# KiCad board HPM6E00EnetConnectTsnRevB.kicad_pcb (continued)
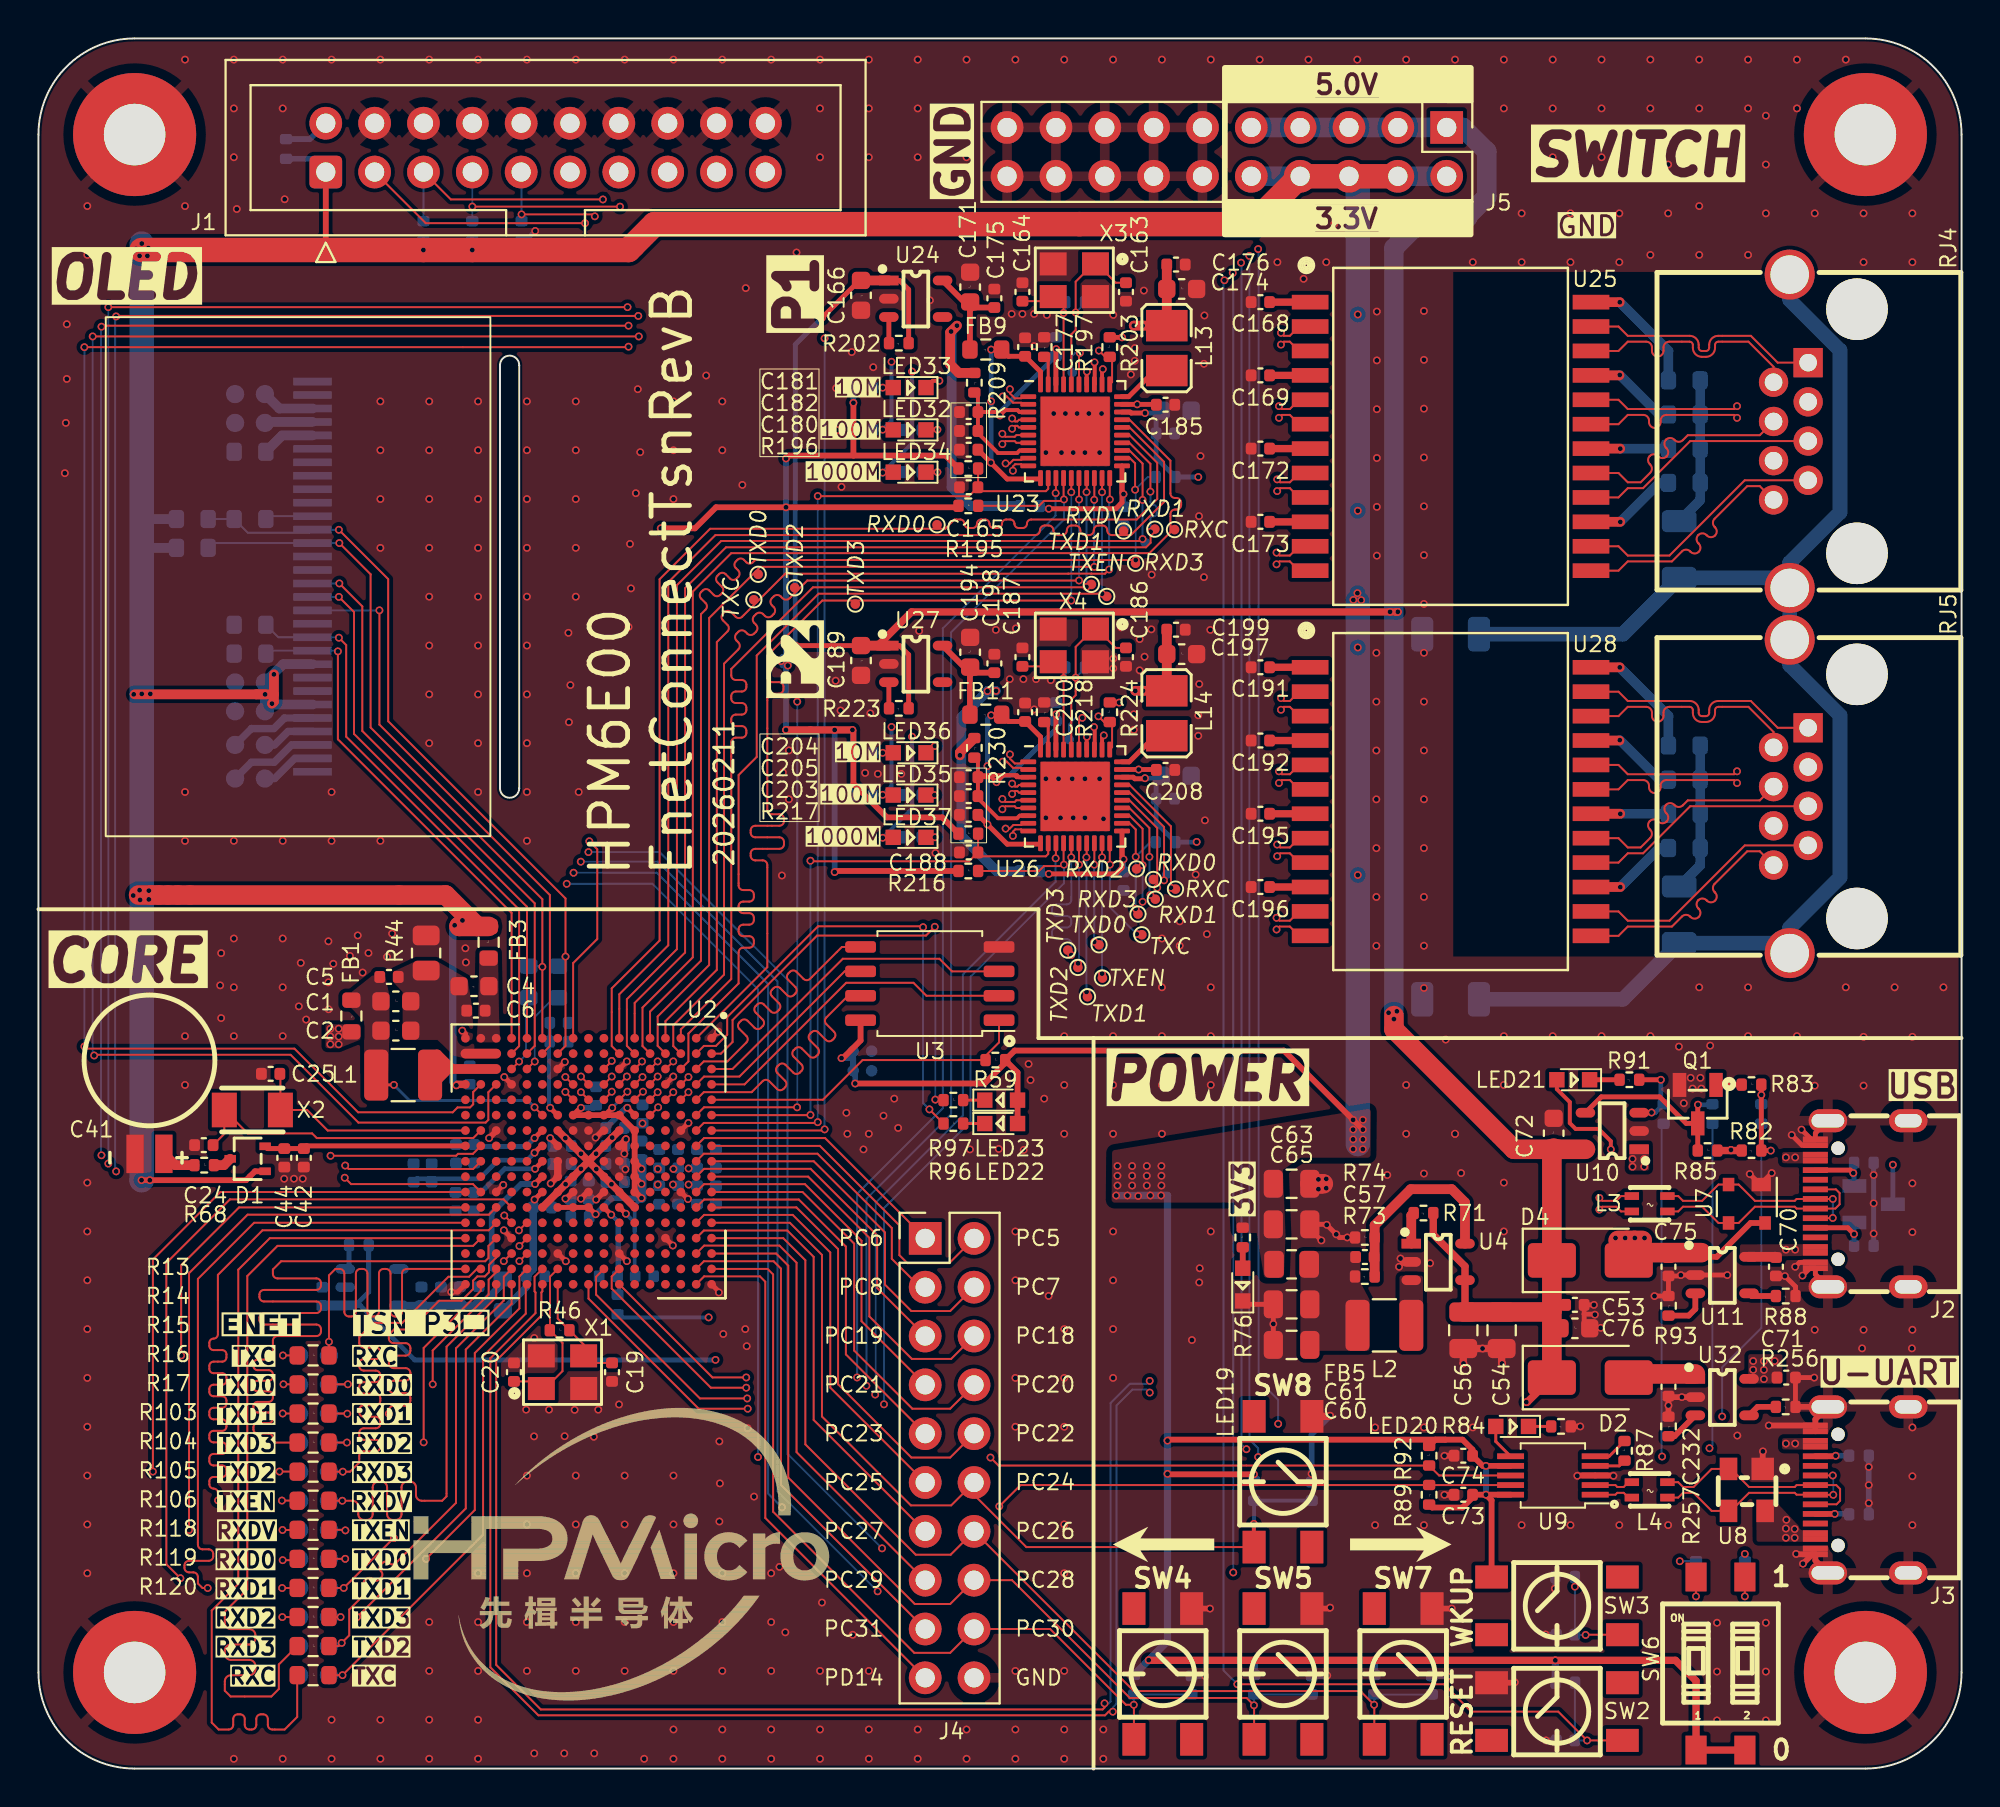
[diagram p0: board, top side]
## Placement (name value [footprint] x y rotation side) (continued)
U28  H5007NL  [PULSE_H5007NL]  73.43 50.3 0 top
U32  PW1515  [SOT-23-5]  87.55 19.32 0 top
X1  24MHz ±10ppm 12pF  [3225]  27.25 20.62 0 top
X2  32.768kHz,12.5pF  [3215]  11.12 34.26 0 top
X3  25MHz_±10ppm_12pF  [3225]  53.86 77.42 180 top
X4  25MHz_±10ppm_12pF  [3225]  53.86 58.43 180 top

## Library data of the parts
C1 C2 C4 C76 = -: Company: SAMSUNG(三星); Model: CL10A226MP8NUNE; ki_fp_filters: C_*
C3 C11 C15 C16 C28 C46 C48 C49 C51 C55 C73 = -: Company: SAMSUNG(三星); Model: CL05A475MP5NRNC; ki_fp_filters: C_*
C5-C10 C12-C14 C21-C23 C26 C27 C29 C30 C34 C35 C37-C40 C42 C43 C45 C47 C50 C52 C53 C58 C74 C77-C80 = -: Company: SAMSUNG(三星); Model: CL05B104KO5NNNC; ki_fp_filters: C_*
C17 = -: Company: muRata(村田); Model: GRM158R61A226ME15D
C19 C20 = -: Company: YAGEO(国巨); Model: CC0402JRNPO9BN120; ki_fp_filters: C_*
C24 C25 = -: Company: SAMSUNG(三星); Model: CL05C150JB5NNNC; ki_fp_filters: C_*
C31 = -: Model: CL05B104KO5NNNC; Company: SAMSUNG(三星); ki_fp_filters: C_*
C32 = -: Model: CL05A106MP5NUNC; Company: SAMSUNG(三星); ki_fp_filters: C_*
C33 C36 = -: Company: SAMSUNG(三星); Model: CL05A106MQ5NUNC; ki_fp_filters: C_*
C41 = -: Company: KORCHIP(高奇普); Model: DMS3R3224R; SuppliersPartNumber: C113705
C44 C59 = -: Company: SAMSUNG(三星); Model: CL05A106MP5NUNC; ki_fp_filters: C_*
C54 C56 C60 C61 C63 C65 = -: Company: SAMSUNG(三星); Model: CL21A226MOQNNNE; ki_fp_filters: C_*
C57 C163 C164 C186 C187 = -: Company: SAMSUNG(三星); Model: CL05C220JB5NNNC; ki_fp_filters: C_*
C62 C64 C66 C68 = -: Description: 0603; Model: CC0603KRX5R8BB105; Company: YAGEO; ki_fp_filters: C_*
C67 = -: Description: 0603; Model: CC0603KRX5R9BB225; Company: YAGEO; ki_fp_filters: C_*
C69 = -: Description: 0603; Model: CL10A475KO8NNNC; Company: SAMSUNG(三星); ki_fp_filters: C_*
C70 C71 C75 C232 = -: Company: SAMSUNG(三星); Model: CL05A105KO5NNNC
C72 = -: Company: SAMSUNG(三星); Model: CL10A106KO8NQNC; ki_fp_filters: C_*
C117-C128 = -: Description: 0603; Model: CC0603KRX7R9BB221; Company: YAGEO; ASSY_OPT: DNP; ki_fp_filters: C_*
C165 C168-C170 C172 C173 C175-C182 C185 C188 C191-C193 C195 C196 C198-C205 C208 = -: Company: SAMSUNG(三星); Model: 0402B104K500NT; ki_fp_filters: C_*
C166 C167 C171 C174 C189 C190 C194 C197 = -: Company: SAMSUNG(三星); Model: CL10A475KO8NNNC; ki_fp_filters: C_*
C183 C184 C206 C207 = -: Company: FH(风华); Model: 1206B102K202NT; ki_fp_filters: C_*
D1 = -: Company: Nexperia(安世)
D2 = -: Company: 晶导微电子
D3 U10 = -: Company: DIODES(美台)
D4 = -: Company: YANGJIE(扬杰)
DS1 = -: Datasheet: https://www.vishay.com/docs/37902/oled128o064dbpp3n00000.pdf; Description: OLED display 128x64; ki_fp_filters: OLED?128O064D*
FB1-FB3 FB9 FB11 = -: Company: Sunlord(顺络); Model: PZ1608D101-2R0TF; ki_fp_filters: Inductor_* L_* *Ferrite*
FB5 = -: Company: Sunlord(顺络); Model: PZ2012U101-2R0TF; ki_fp_filters: Inductor_* L_* *Ferrite*
H201-H204 = -: Description: Mounting Hole with connection; ki_fp_filters: MountingHole*Pad*
J1 = -: Datasheet: http://infocenter.arm.com/help/topic/com.arm.doc.dui0499b/DUI0499B_system_design_reference.pdf; ki_fp_filters: IDC*Header*P2.54mm* PinHeader*2x10*P2.54mm*
J2 J3 = -: Company: kinghelm(金航标); Model: KH-TYPE-C-16P
J4 J5 = -: Description: P2.54; Model: 2.54-2*10P直针; Company: BOOMELE(博穆精密); ki_fp_filters: Connector*:*_2x??_*
L1 = -: Company: muRata(村田); Model: DFE322520FD-4R7M=P2
L2 = -: Company: muRata(村田); Model: DFE322512F-4R7M=P2
L3 L4 = -: Company: muRata(村田)
L13 L14 = -: Company: muRata(村田); Model: DFE252010F-2R2M
LED19 LED34 LED37 = -: Company: 国星光电; Model: NCD0603R1
LED20-LED23 LED32 LED35 = -: Company: 国星光电; Model: NCD0603C1
LED33 LED36 = -: Company: 国星光电; Model: NCD0603B1
Q1 = -: Company: CJ(江苏长电/长晶)
R1 R2 = -: Description: Resistor; Model: 0603WAF0000T5E; Company: UNI-ROYAL(厚声); ki_fp_filters: R_*
R3 R4 = -: Description: Resistor; Model: RC0603FR-071KL; Company: YAGEO; ki_fp_filters: R_*
R5 = -: Description: Resistor; Model: 0603WAF0000T5E; Company: UNI-ROYAL(厚声); ASSY_OPT: DNP; ki_fp_filters: R_*
R6 R7 = -: Description: Resistor; Model: 0603WAF4701T5E; Company: UNI-ROYAL(厚声); ki_fp_filters: R_*
R8 = -: Description: Resistor; Model: 0603WAF9103T5E; Company: UNI-ROYAL(厚声); ki_fp_filters: R_*
R13-R17 R103-R106 R118-R120 = -: Description: Resistor; Model: 0603WAF330JT5E; Company: UNI-ROYAL(厚声); ki_fp_filters: R_*
R44 = -: Company: FH(风华); Model: RS-05000JT; ki_fp_filters: R_*
R46 R193 R214 = -: Company: UNI-ROYAL(厚声); Model: CQ02WGJ0105TCE; ki_fp_filters: R_*
R48 R50 R71 R72 R83 R85 R88 R94 R95 R98-R101 R196 R217 R256 = -: Company: UNI-ROYAL(厚声); Model: 0402WGF1002TCE; ki_fp_filters: R_*
R49 = -: Company: UNI-ROYAL(厚声); Model: 0402WGF100JTCE; ki_fp_filters: R_*
R51 = -: Model: RC0402JR-070RL; Company: YAGEO(国巨); ASSY_OPT: DNP; ki_fp_filters: R_*
R53-R55 R59 = -: Model: 0402WGF1002TCE; Company: UNI-ROYAL(厚声); ki_fp_filters: R_*
R68 = -: Company: UNI-ROYAL(厚声); Model: 0402WGF510JTCE; ki_fp_filters: R_*
R73 R82 = -: Company: UNI-ROYAL(厚声); Model: 0402WGF1003TCE; ki_fp_filters: R_*
R74 = -: Company: UNI-ROYAL(厚声); Model: 0402WGF2212TCE; ki_fp_filters: R_*
R76 R84 R91 R96 R97 = -: Company: UNI-ROYAL(厚声); Model: 0402WGF1001TCE; ki_fp_filters: R_*
R77 R79 = -: ASSY_OPT: DNP; Company: UNI-ROYAL(厚声); Model: 0402WGF5101TCE; ki_fp_filters: R_*
R78 R80 R89 R92 = -: Company: UNI-ROYAL(厚声); Model: 0402WGF5101TCE; ki_fp_filters: R_*
R81 R86 R90 = -: ASSY_OPT: DNP; Company: YAGEO(国巨); Model: RC0402JR-070RL; ki_fp_filters: R_*
R87 = -: Company: UNI-ROYAL(厚声); Model: 0402WGF2001TCE; ki_fp_filters: R_*
R93 R204-R206 R225-R227 R257 = -: Company: UNI-ROYAL(厚声); Model: 0402WGF3300TCE; ki_fp_filters: R_*
R194 R195 R200 R202 R203 R215 R216 R221 R223 R224 = -: Company: UNI-ROYAL(厚声); Model: 0402WGF4701TCE; ki_fp_filters: R_*
R197 R218 = -: Company: FH(风华); Model: RC-02W2491FT; ki_fp_filters: R_*
R208 R209 R229 R230 = -: Company: YAGEO(国巨); Model: RC0402JR-070RL; ki_fp_filters: R_*
R210-R213 R231-R234 = -: Company: UNI-ROYAL(厚声); Model: 0603WAF750JT5E; ki_fp_filters: R_*
RJ4 RJ5 = -: Company: HCTL(华灿天禄)
SW2-SW5 SW7 SW8 = -: Company: SHOU HAN(首韩); Model: TS4540TP
SW6 = -: Company: 圜达; Model: DM-02-V
T52-T63 T65-T77 T79 = -: ki_fp_filters: Pin* Test*
U3 = -: Company: MXIC(旺宏电子)
U4 = -: Company: silergy(矽力杰)
U5 U24 U27 = -: Company: TI
U7 U8 = -: Company: TECH PUBLIC(台舟)
U9 = -: Company: WCH(南京沁恒); ki_fp_filters: MSOP*3x3mm*P0.5mm*
U11 U32 = -: Company: 平芯微
U23 U26 = -: Company: Motorcomm（裕太微）; Model: YT8531C; ki_fp_filters: LQFP?48*7x7mm*P0.5mm*
U25 U28 = -: Company: PULSE
X1 = -: Company: EPSON(爱普生); Model: X1E0000210129
X2 = -: Company: EPSON(爱普生); Model: FC-135 32.7680KA-AC
X3 X4 = -: Company: YXC(扬兴晶振); Model: X322525MOB4SI

## Footprints (pads in the part's own frame, mm; a bottom-side part is the same pattern mirrored in y, then rotated)
3215
  rect 1.3x1.801 smd: 1(-1.458,0) 2(1.458,0)
3225
  rect 1.4x1.2 smd: 1(-1.1,-0.85) 2(1.1,-0.85) 3(1.1,0.85) 4(-1.1,0.85)
BGA-289_17x17_14.0x14.0mm
  round 0.45 smd: A1(-6.4,6.4) A2(-5.6,6.4) A3(-4.8,6.4) A4(-4,6.4) A5(-3.2,6.4) A6(-2.4,6.4) A7(-1.6,6.4) A8(-0.8,6.4) A9(0,6.4) A10(0.8,6.4) A11(1.6,6.4) A12(2.4,6.4) A13(3.2,6.4) A14(4,6.4) A15(4.8,6.4) A16(5.6,6.4) A17(6.4,6.4) B1(-6.4,5.6) B2(-5.6,5.6) B3(-4.8,5.6) B4(-4,5.6) B5(-3.2,5.6) B6(-2.4,5.6) B7(-1.6,5.6) B8(-0.8,5.6) B9(0,5.6) B10(0.8,5.6) B11(1.6,5.6) B12(2.4,5.6) B13(3.2,5.6) B14(4,5.6) B15(4.8,5.6) B16(5.6,5.6) B17(6.4,5.6) C1(-6.4,4.8) C2(-5.6,4.8) C3(-4.8,4.8) C4(-4,4.8) C5(-3.2,4.8) C6(-2.4,4.8) C7(-1.6,4.8) C8(-0.8,4.8) C9(0,4.8) C10(0.8,4.8) C11(1.6,4.8) C12(2.4,4.8) C13(3.2,4.8) C14(4,4.8) C15(4.8,4.8) C16(5.6,4.8) C17(6.4,4.8) D1(-6.4,4) D2(-5.6,4) D3(-4.8,4) D4(-4,4) D5(-3.2,4) D6(-2.4,4) D7(-1.6,4) D8(-0.8,4) D9(0,4) D10(0.8,4) D11(1.6,4) D12(2.4,4) D13(3.2,4) D14(4,4) D15(4.8,4) D16(5.6,4) D17(6.4,4) E1(-6.4,3.2) E2(-5.6,3.2) E3(-4.8,3.2) E4(-4,3.2) E5(-3.2,3.2) E6(-2.4,3.2) E7(-1.6,3.2) E8(-0.8,3.2) E9(0,3.2) E10(0.8,3.2) E11(1.6,3.2) E12(2.4,3.2) E13(3.2,3.2) E14(4,3.2) E15(4.8,3.2) E16(5.6,3.2) E17(6.4,3.2) F1(-6.4,2.4) F2(-5.6,2.4) F3(-4.8,2.4) F4(-4,2.4) F5(-3.2,2.4) F6(-2.4,2.4) F7(-1.6,2.4) F8(-0.8,2.4) F9(0,2.4) F10(0.8,2.4) F11(1.6,2.4) F12(2.4,2.4) F13(3.2,2.4) F14(4,2.4) F15(4.8,2.4) F16(5.6,2.4) F17(6.4,2.4) G1(-6.4,1.6) G2(-5.6,1.6) G3(-4.8,1.6) G4(-4,1.6) G5(-3.2,1.6) G6(-2.4,1.6) G7(-1.6,1.6) G8(-0.8,1.6) G9(0,1.6) G10(0.8,1.6) G11(1.6,1.6) G12(2.4,1.6) G13(3.2,1.6) G14(4,1.6) G15(4.8,1.6) G16(5.6,1.6) G17(6.4,1.6) H1(-6.4,0.8) H2(-5.6,0.8) H3(-4.8,0.8) H4(-4,0.8) H5(-3.2,0.8) H6(-2.4,0.8) H7(-1.6,0.8) H8(-0.8,0.8) H9(0,0.8) H10(0.8,0.8) H11(1.6,0.8) H12(2.4,0.8) H13(3.2,0.8) H14(4,0.8) H15(4.8,0.8) H16(5.6,0.8) H17(6.4,0.8) J1(-6.4,0) J2(-5.6,0) J3(-4.8,0) J4(-4,0) J5(-3.2,0) J6(-2.4,0) J7(-1.6,0) J8(-0.8,0) J9(0,0) J10(0.8,0) J11(1.6,0) J12(2.4,0) J13(3.2,0) J14(4,0) J15(4.8,0) J16(5.6,0) J17(6.4,0) K1(-6.4,-0.8) K2(-5.6,-0.8) K3(-4.8,-0.8) K4(-4,-0.8) K5(-3.2,-0.8) K6(-2.4,-0.8) K7(-1.6,-0.8) K8(-0.8,-0.8) K9(0,-0.8) K10(0.8,-0.8) K11(1.6,-0.8) K12(2.4,-0.8) K13(3.2,-0.8) K14(4,-0.8) K15(4.8,-0.8) K16(5.6,-0.8) K17(6.4,-0.8) L1(-6.4,-1.6) L2(-5.6,-1.6) L3(-4.8,-1.6) L4(-4,-1.6) L5(-3.2,-1.6) L6(-2.4,-1.6) L7(-1.6,-1.6) L8(-0.8,-1.6) L9(0,-1.6) L10(0.8,-1.6) L11(1.6,-1.6) L12(2.4,-1.6) L13(3.2,-1.6) L14(4,-1.6) L15(4.8,-1.6) L16(5.6,-1.6) L17(6.4,-1.6) M1(-6.4,-2.4) M2(-5.6,-2.4) M3(-4.8,-2.4) M4(-4,-2.4) M5(-3.2,-2.4) M6(-2.4,-2.4) M7(-1.6,-2.4) M8(-0.8,-2.4) M9(0,-2.4) M10(0.8,-2.4) M11(1.6,-2.4) M12(2.4,-2.4) M13(3.2,-2.4) M14(4,-2.4) M15(4.8,-2.4) M16(5.6,-2.4) M17(6.4,-2.4) N1(-6.4,-3.2) N2(-5.6,-3.2) N3(-4.8,-3.2) N4(-4,-3.2) N5(-3.2,-3.2) N6(-2.4,-3.2) N7(-1.6,-3.2) N8(-0.8,-3.2) N9(0,-3.2) N10(0.8,-3.2) N11(1.6,-3.2) N12(2.4,-3.2) N13(3.2,-3.2) N14(4,-3.2) N15(4.8,-3.2) N16(5.6,-3.2) N17(6.4,-3.2) P1(-6.4,-4) P2(-5.6,-4) P3(-4.8,-4) P4(-4,-4) P5(-3.2,-4) P6(-2.4,-4) P7(-1.6,-4) P8(-0.8,-4) P9(0,-4) P10(0.8,-4) P11(1.6,-4) P12(2.4,-4) P13(3.2,-4) P14(4,-4) P15(4.8,-4) P16(5.6,-4) P17(6.4,-4) R1(-6.4,-4.8) R2(-5.6,-4.8) R3(-4.8,-4.8) R4(-4,-4.8) R5(-3.2,-4.8) R6(-2.4,-4.8) R7(-1.6,-4.8) R8(-0.8,-4.8) R9(0,-4.8) R10(0.8,-4.8) R11(1.6,-4.8) R12(2.4,-4.8) R13(3.2,-4.8) R14(4,-4.8) R15(4.8,-4.8) R16(5.6,-4.8) R17(6.4,-4.8) T1(-6.4,-5.6) T2(-5.6,-5.6) T3(-4.8,-5.6) T4(-4,-5.6) T5(-3.2,-5.6) T6(-2.4,-5.6) T7(-1.6,-5.6) T8(-0.8,-5.6) T9(0,-5.6) T10(0.8,-5.6) T11(1.6,-5.6) T12(2.4,-5.6) T13(3.2,-5.6) T14(4,-5.6) T15(4.8,-5.6) T16(5.6,-5.6) T17(6.4,-5.6) U1(-6.4,-6.4) U2(-5.6,-6.4) U3(-4.8,-6.4) U4(-4,-6.4) U5(-3.2,-6.4) U6(-2.4,-6.4) U7(-1.6,-6.4) U8(-0.8,-6.4) U9(0,-6.4) U10(0.8,-6.4) U11(1.6,-6.4) U12(2.4,-6.4) U13(3.2,-6.4) U14(4,-6.4) U15(4.8,-6.4) U16(5.6,-6.4) U17(6.4,-6.4)
C_0402_1005Metric
  rrect 0.56x0.62 smd: 1(-0.48,0) 2(0.48,0)
C_0402_1005Metric#2
  round 0.6 smd: 1(-0.48,0) 2(0.48,0)
C_0603_1608Metric
  rrect 0.9x0.95 smd: 1(-0.775,0) 2(0.775,0)
C_0603_1608Metric#2
  round 0.95 smd: 1(-0.775,0) 2(0.775,0)
C_0805_2012Metric
  rrect 1x1.45 smd: 1(-0.95,0) 2(0.95,0)
C_1206_3216Metric
  rrect 1.15x1.8 smd: 1(-1.475,0) 2(1.475,0)
D_SMA
  rrect 2.5x1.8 smd: 1(-2,0) 2(2,0)
DMS3R3224
  rect 2x0.9 smd: 1(-0.001,0.749) 2(0.001,-0.749)
IDC-Header_2x10_P2.54mm
  rrect 1.7x1.7 hole 1: 1(0,0)
  round 1.7 hole 1: 2(2.54,0) 3(0,-2.54) 4(2.54,-2.54) 5(0,-5.08) 6(2.54,-5.08) 7(0,-7.62) 8(2.54,-7.62) 9(0,-10.16) 10(2.54,-10.16) 11(0,-12.7) 12(2.54,-12.7) 13(0,-15.24) 14(2.54,-15.24) 15(0,-17.78) 16(2.54,-17.78) 17(0,-20.32) 18(2.54,-20.32) 19(0,-22.86) 20(2.54,-22.86)
L1008
  rect 1.635x2.16 smd: 1(-1.168,0) 2(1.168,0)
L2012
  rect 0.4x0.75 smd: 1(-0.4,-0.925) 2(-0.4,0.925) 3(0.4,0.925) 4(0.4,-0.925)
L_1210_3225Metric
  rrect 1.25x2.65 smd: 1(-1.4,0) 2(1.4,0)
LED_0603
  rect 0.8x0.8 smd: 1(0.851,0) 2(-0.851,0)
MountingHole_3.2mm_M3_Pad
  round 6.4 hole 3.2: 1(0,0)
MSOP-10
  rect 1.4x0.3 smd: 1(-2.2,1) 2(-2.2,0.5) 3(-2.2,0) 4(-2.2,-0.5) 5(-2.2,-1) 6(2.2,-1) 7(2.2,-0.5) 8(2.2,0) 9(2.2,0.5) 10(2.2,1)
OLED-128O064D
  rect 0.4x2 smd: 1(-10.15,0) 2(-9.45,0) 3(-8.75,0) 4(-8.05,0) 5(-7.35,0) 6(-6.65,0) 7(-5.95,0) 8(-5.25,0) 9(-4.55,0) 10(-3.85,0) 11(-3.15,0) 12(-2.45,0) 13(-1.75,0) 14(-1.05,0) 15(-0.35,0) 16(0.35,0) 17(1.05,0) 18(1.75,0) 19(2.45,0) 20(3.15,0) 21(3.85,0) 22(4.55,0) 23(5.25,0) 24(5.95,0) 25(6.65,0) 26(7.35,0) 27(8.05,0) 28(8.75,0) 29(9.45,0) 30(10.15,0)
PinHeader_2x10_P2.54mm_Vertical
  rect 1.7x1.7 hole 1: 1(0,0)
  oval 1.7x1.7 hole 1: 2(2.54,0) 3(0,-2.54) 4(2.54,-2.54) 5(0,-5.08) 6(2.54,-5.08) 7(0,-7.62) 8(2.54,-7.62) 9(0,-10.16) 10(2.54,-10.16) 11(0,-12.7) 12(2.54,-12.7) 13(0,-15.24) 14(2.54,-15.24) 15(0,-17.78) 16(2.54,-17.78) 17(0,-20.32) 18(2.54,-20.32) 19(0,-22.86) 20(2.54,-22.86)
PRTR5V0U2X
  rect 1.168x1.168 smd: 1(-1.092,0.826)
  rect 1.168x0.914 smd: 2(-1.092,-0.953) 3(1.092,-0.953) 4(1.092,0.953)
PULSE_H5007NL
  rect 1.905x0.76 smd: 1(-7.303,6.985) 2(-7.303,5.715) 3(-7.303,4.445) 4(-7.303,3.175) 5(-7.303,1.905) 6(-7.303,0.635) 7(-7.303,-0.635) 8(-7.303,-1.905) 9(-7.303,-3.175) 10(-7.303,-4.445) 11(-7.303,-5.715) 12(-7.303,-6.985) 13(7.303,-6.985) 14(7.303,-5.715) 15(7.303,-4.445) 16(7.303,-3.175) 17(7.303,-1.905) 18(7.303,-0.635) 19(7.303,0.635) 20(7.303,1.905) 21(7.303,3.175) 22(7.303,4.445) 23(7.303,5.715) 24(7.303,6.985)
QFN-40-1EP_5x5mm_P0.4mm_EP3.6x3.6mm
  rrect 0.97x0.97 smd: (-1.2,1.2) (-1.2,0) (-1.2,-1.2) (0,1.2) (0,0) (0,-1.2) (1.2,1.2) (1.2,0) (1.2,-1.2)
  rrect 0.825x0.25 smd: 1(-2.438,1.8) 2(-2.438,1.4) 3(-2.438,1) 4(-2.438,0.6) 5(-2.438,0.2) 6(-2.438,-0.2) 7(-2.438,-0.6) 8(-2.438,-1) 9(-2.438,-1.4) 10(-2.438,-1.8) 21(2.438,-1.8) 22(2.438,-1.4) 23(2.438,-1) 24(2.438,-0.6) 25(2.438,-0.2) 26(2.438,0.2) 27(2.438,0.6) 28(2.438,1) 29(2.438,1.4) 30(2.438,1.8)
  rrect 0.25x0.825 smd: 11(-1.8,-2.438) 12(-1.4,-2.438) 13(-1,-2.438) 14(-0.6,-2.438) 15(-0.2,-2.438) 16(0.2,-2.438) 17(0.6,-2.438) 18(1,-2.438) 19(1.4,-2.438) 20(1.8,-2.438) 31(1.8,2.438) 32(1.4,2.438) 33(1,2.438) 34(0.6,2.438) 35(0.2,2.438) 36(-0.2,2.438) 37(-0.6,2.438) 38(-1,2.438) 39(-1.4,2.438) 40(-1.8,2.438)
  rect 3.6x3.6 smd: 41(0,0)
R_0402_1005Metric
  rrect 0.54x0.64 smd: 1(-0.51,0) 2(0.51,0)
R_0603_1608Metric
  rrect 0.8x0.95 smd: 1(-0.825,0) 2(0.825,0)
R_0805_2012Metric
  rrect 1.025x1.4 smd: 1(-0.912,0) 2(0.912,0)
RJ45-TH_HC-RJ45-5JA-1-4
  round 3.2 hole 3.2 unplated: (-6.35,-3.44) (6.35,-3.44)
  rect 1.524x1.524 hole 0.914: 1(3.57,-0.9)
  round 1.524 hole 0.914: 2(2.55,0.9) 3(1.53,-0.9) 4(0.51,0.9) 5(-0.51,-0.9) 6(-1.53,0.9) 7(-2.55,-0.9) 8(-3.57,0.9)
  round 2.6 hole 2: 9(-8.15,0.06) 10(8.15,0.06)
SC-70
  rect 0.599x0.399 smd: 1(0.909,-0.65) 2(0.909,0.65) 3(-0.909,0)
SOIC8_208mil
  rrect 1.6x0.6 smd: 1(-3.6,1.905) 2(-3.6,0.635) 3(-3.6,-0.635) 4(-3.6,-1.905) 5(3.6,-1.905) 6(3.6,-0.635) 7(3.6,0.635) 8(3.6,1.905)
SOT-23
  rect 1.25x0.7 smd: 1(1,-0.95) 2(1,0.95) 3(-1,0)
SOT-23-5
  rect 1.016x0.508 smd: 1(-1.397,0.95)
  oval 1.016x0.508 smd: 2(-1.397,0) 3(-1.397,-0.95) 4(1.397,-0.95) 5(1.397,0.95)
SOT-143
  rect 0.7x1 smd: 1(-1,0.75)
  rect 0.7x0.6 smd: 2(-1,-0.95) 3(1,-0.95) 4(1,0.95)
SW-SMD_DM-02-V
  rect 1.1x1.501 smd: 1(-1.27,-4.501) 2(1.27,-4.501) 3(1.27,4.501) 4(-1.27,4.501)
TestPoint_Pad_D0.5mm
  round 0.5 smd: 1(0,0)
TYPE-C-16P
  round 0.7 hole 0.7 unplated: (-2.89,1.235) (2.89,1.235)
  oval 1.2x2 hole 0.7x1.7: 1(-4.32,1.765) 2(4.32,1.765)
  oval 1.2x2 hole 0.7x1.4: 3(-4.32,-2.415) 4(4.32,-2.415)
  rect 0.3x1.3 smd: A1(-3.35,2.415) A4(-2.55,2.415) A5(-1.25,2.415) A6(-0.25,2.415) A7(0.25,2.415) A8(1.25,2.415) A9(2.55,2.415) A12(3.35,2.415) B1(3.05,2.415) B4(2.25,2.415) B5(1.75,2.415) B6(0.75,2.415) B7(-0.75,2.415) B8(-1.75,2.415) B9(-2.25,2.415) B12(-3.05,2.415)
轻触开关SMD-4P,4.5x4.5mm
  rect 1.699x1.199 smd: 1(-3.401,-1.501) 2(3.401,-1.501) 3(3.401,1.501) 4(-3.401,1.501)

## Nets
+3.3V: C21.1 C27.2 C28.2 C29.1 C30.1 C31.1 C32.1 C33.1 C34.1 C35.1 C36.1 C37.1 C38.1 C39.1 C40.1 C43.2 C62.1 C63.1 C64.1 C65.1 C73.2 C74.1 C167.1 C170.1 C190.1 C193.1 D1.1 DS1.6 DS1.9 FB3.2 FB5.1 J1.1 J5.2 J5.4 J5.6 J5.8 J5.10 LED21.2 LED22.2 LED23.2 R6.1 R7.1 R48.1 R51.2 R54.1 R55.1 R59.2 R76.2 R82.2 R85.2 R89.2 R92.2 R94.1 R95.1 R100.1 R101.1 R194.1 R195.1 R196.1 R203.2 R204.2 R215.1 R216.1 R217.1 R224.2 R225.2 SW3.2 SW6.1 SW6.2 U2.F7 U2.F8 U2.F9 U2.F10 U2.F11 U2.G6 U2.G12 U2.H6 U2.J6 U2.J12 U2.K6 U2.K12 U2.L12 U2.U4 U3.8 U9.7 U9.10 U23.28 U26.28
+3.3VA: C8.1 C11.1 C58.1 C59.1 FB2.2 U2.M10 U5.5
+5V: C53.1 C54.1 C55.1 C56.1 C72.1 C76.1 C166.1 C189.1 D2.1 D4.1 J5.1 J5.3 J5.5 J5.7 J5.9 R71.1 R72.1 R202.1 R223.1 U4.4 U5.1 U10.5 U24.1 U27.1
/HPM6E00EnetConnectTsnRevB/10-USB-BOOT-KEY-LED/VBUS_DEBUG: C71.1 J3.A4 J3.A9 J3.B4 J3.B9 U8.4 U32.5
/HPM6E00EnetConnectTsnRevB/12-TSN-P1/AVDD: C177.2 C180.2 C185.1 FB9.1 U23.11 U23.29 U23.40
/HPM6E00EnetConnectTsnRevB/12-TSN-P1/AVDDL: C179.1 C181.1 C182.1 R209.2 U23.3 U23.8 U23.38
/HPM6E00EnetConnectTsnRevB/12-TSN-P1/DVDDL: C178.2 R208.2 U23.21
/HPM6E00EnetConnectTsnRevB/12-TSN-P1/VDDL: C174.1 C176.1 L13.2 R208.1 R209.1
/HPM6E00EnetConnectTsnRevB/13-TSN-P2/AVDD: C200.2 C203.2 C208.1 FB11.1 U26.11 U26.29 U26.40
/HPM6E00EnetConnectTsnRevB/13-TSN-P2/AVDDL: C202.1 C204.1 C205.1 R230.2 U26.3 U26.8 U26.38
/HPM6E00EnetConnectTsnRevB/13-TSN-P2/DVDDL: C201.2 R229.2 U26.21
/HPM6E00EnetConnectTsnRevB/13-TSN-P2/VDDL: C197.1 C199.1 L14.2 R229.1 R230.1
GND: C3.2 C7.2 C8.2 C9.2 C10.2 C11.2 C12.2 C13.2 C14.2 C15.2 C16.2 C17.2 C19.2 C20.2 C21.2 C22.2 C23.2 C24.2 C25.2 C26.2 C27.1 C28.1 C29.2 C30.2 C31.2 C32.2 C33.2 C34.2 C35.2 C36.2 C37.2 C38.2 C39.2 C40.2 C41.2 C42.2 C43.1 C44.2 C45.2 C46.2 C47.2 C48.2 C49.2 C50.2 C51.2 C52.2 C53.2 C54.2 C55.2 C56.2 C58.2 C59.2 C60.2 C61.2 C62.2 C63.2 C64.2 C65.2 C67.2 C69.2 C70.2 C71.2 C72.2 C73.1 C74.2 C75.2 C76.2 C77.2 C78.2 C79.2 C80.2 C117.2 C118.2 C119.2 C120.2 C121.2 C122.2 C123.2 C124.2 C125.2 C126.2 C127.2 C128.2 C163.2 C164.2 C165.2 C166.2 C167.2 C168.2 C169.2 C170.2 C171.2 C172.2 C173.2 C174.2 C175.2 C176.2 C177.1 C178.1 C179.2 C180.1 C181.2 C182.2 C184.1 C185.2 C186.2 C187.2 C188.2 C189.2 C190.2 C191.2 C192.2 C193.2 C194.2 C195.2 C196.2 C197.2 C198.2 C199.2 C200.1 C201.1 C202.2 C203.1 C204.2 C205.2 C207.1 C208.2 C232.2 DS1.1 DS1.8 DS1.12 DS1.16 DS1.17 DS1.21 DS1.22 DS1.23 DS1.24 DS1.25 DS1.29 DS1.30 H201.1 H202.1 H203.1 H204.1 J1.4 J1.6 J1.8 J1.10 J1.12 J1.14 J1.16 J1.18 J1.20 J2.1 J2.2 J2.3 J2.4 J2.A1 J2.A12 J2.B1 J2.B12 J3.1 J3.2 J3.3 J3.4 J3.A1 J3.A12 J3.B1 J3.B12 J4.20 J5.11 J5.12 J5.13 J5.14 J5.15 J5.16 J5.17 J5.18 J5.19 J5.20 LED19.1 Q1.2 R3.1 R4.1 R8.1 R44.1 R50.1 R53.1 R74.1 R77.1 R78.1 R79.1 R80.1 R84.1 R88.1 R93.1 R197.1 R200.2 R205.2 R206.2 R218.1 R221.2 R226.2 R227.2 R256.1 R257.1 SW2.2 SW4.2 SW5.2 SW7.2 SW8.2 U2.A1 U2.A17 U2.C7 U2.C11 U2.D4 U2.D14 U2.G3 U2.G8 U2.G9 U2.G10 U2.G15 U2.H7 U2.H9 U2.H11 U2.J7 U2.J8 U2.J10 U2.J11 U2.K7 U2.K9 U2.K11 U2.L3 U2.L8 U2.L9 U2.L10 U2.L15 U2.P4 U2.P14 U2.R7 U2.R11 U2.U1 U2.U17 U3.4 U4.2 U5.2 U7.1 U8.1 U9.3 U10.2 U11.2 U23.41 U24.2 U26.41 U27.2 U32.2 X1.2 X1.4 X3.2 X3.4 X4.2 X4.4
GND2: C183.2 C184.2 C206.2 C207.2 RJ4.9 RJ4.10 RJ5.9 RJ5.10
VBAT: C42.1 C44.1 D1.2 U2.U8
VBUS: C75.1 D4.2 R49.1 U7.4 U10.1 U11.1
VDD_SOC: C9.1 C10.1 C12.1 C13.1 C14.1 C15.1 C16.1 C17.1 FB1.2 U2.F6 U2.F12 U2.G7 U2.G11 U2.H8 U2.H10 U2.J9 U2.K8 U2.K10 U2.L7 U2.L11 U2.M12
/HPM6E00EnetConnectTsnRevB/02-USB-OSC/RESETN: C22.1 R48.2 SW2.4 U2.T4
/HPM6E00EnetConnectTsnRevB/02-USB-OSC/RTC_XI: C25.1 U2.U7 X2.2
/HPM6E00EnetConnectTsnRevB/02-USB-OSC/RTC_XO: C24.1 U2.T7 X2.1
/HPM6E00EnetConnectTsnRevB/02-USB-OSC/WAKEUP: C26.1 R50.2 SW3.4 U2.R4
/HPM6E00EnetConnectTsnRevB/04-FlASH-PB/CS0: R59.1 U2.A5 U3.1
/HPM6E00EnetConnectTsnRevB/04-FlASH-PB/D0: U2.B3 U3.5
/HPM6E00EnetConnectTsnRevB/04-FlASH-PB/D1: U2.A4 U3.2
/HPM6E00EnetConnectTsnRevB/04-FlASH-PB/D2: U2.A3 U3.3
/HPM6E00EnetConnectTsnRevB/04-FlASH-PB/D3: U2.B5 U3.7
/HPM6E00EnetConnectTsnRevB/04-FlASH-PB/SCLK: U2.B4 U3.6
/HPM6E00EnetConnectTsnRevB/10-USB-BOOT-KEY-LED/_+: J3.A6 J3.B6 L4.1 U8.3
/HPM6E00EnetConnectTsnRevB/10-USB-BOOT-KEY-LED/_-: J3.A7 J3.B7 L4.4 U8.2
/HPM6E00EnetConnectTsnRevB/10-USB-BOOT-KEY-LED/UD+: L4.2 U9.1
/HPM6E00EnetConnectTsnRevB/10-USB-BOOT-KEY-LED/UD-: L4.3 U9.2
/HPM6E00EnetConnectTsnRevB/10-USB-BOOT-KEY-LED/USB0+: J2.A6 J2.B6 L3.1 U7.3
/HPM6E00EnetConnectTsnRevB/10-USB-BOOT-KEY-LED/USB0-: J2.A7 J2.B7 L3.4 U7.2
/HPM6E00EnetConnectTsnRevB/12-TSN-P1/G1_DA+: RJ4.1 U25.23
/HPM6E00EnetConnectTsnRevB/12-TSN-P1/G1_DA-: RJ4.2 U25.22
/HPM6E00EnetConnectTsnRevB/12-TSN-P1/G1_DB+: RJ4.3 U25.20
/HPM6E00EnetConnectTsnRevB/12-TSN-P1/G1_DB-: RJ4.6 U25.19
/HPM6E00EnetConnectTsnRevB/12-TSN-P1/G1_DC+: RJ4.4 U25.17
/HPM6E00EnetConnectTsnRevB/12-TSN-P1/G1_DC-: RJ4.5 U25.16
/HPM6E00EnetConnectTsnRevB/12-TSN-P1/G1_DD+: RJ4.7 U25.14
/HPM6E00EnetConnectTsnRevB/12-TSN-P1/G1_DD-: RJ4.8 U25.13
/HPM6E00EnetConnectTsnRevB/12-TSN-P1/LED0: LED33.1 U23.32
/HPM6E00EnetConnectTsnRevB/12-TSN-P1/LED1: LED32.2 R200.1 U23.33
/HPM6E00EnetConnectTsnRevB/12-TSN-P1/LED2: LED34.2 U23.34
/HPM6E00EnetConnectTsnRevB/12-TSN-P1/MDI0N: U23.2 U25.3
/HPM6E00EnetConnectTsnRevB/12-TSN-P1/MDI0P: U23.1 U25.2
/HPM6E00EnetConnectTsnRevB/12-TSN-P1/MDI1N: U23.5 U25.6
/HPM6E00EnetConnectTsnRevB/12-TSN-P1/MDI1P: U23.4 U25.5
/HPM6E00EnetConnectTsnRevB/12-TSN-P1/MDI2N: U23.7 U25.9
/HPM6E00EnetConnectTsnRevB/12-TSN-P1/MDI2P: U23.6 U25.8
/HPM6E00EnetConnectTsnRevB/12-TSN-P1/MDI3N: U23.10 U25.12
/HPM6E00EnetConnectTsnRevB/12-TSN-P1/MDI3P: U23.9 U25.11
/HPM6E00EnetConnectTsnRevB/12-TSN-P1/REGOUT: L13.1 U23.30
/HPM6E00EnetConnectTsnRevB/13-TSN-P2/G1_DA+: RJ5.1 U28.23
/HPM6E00EnetConnectTsnRevB/13-TSN-P2/G1_DA-: RJ5.2 U28.22
/HPM6E00EnetConnectTsnRevB/13-TSN-P2/G1_DB+: RJ5.3 U28.20
/HPM6E00EnetConnectTsnRevB/13-TSN-P2/G1_DB-: RJ5.6 U28.19
/HPM6E00EnetConnectTsnRevB/13-TSN-P2/G1_DC+: RJ5.4 U28.17
/HPM6E00EnetConnectTsnRevB/13-TSN-P2/G1_DC-: RJ5.5 U28.16
/HPM6E00EnetConnectTsnRevB/13-TSN-P2/G1_DD+: RJ5.7 U28.14
/HPM6E00EnetConnectTsnRevB/13-TSN-P2/G1_DD-: RJ5.8 U28.13
/HPM6E00EnetConnectTsnRevB/13-TSN-P2/LED0: LED36.1 U26.32
/HPM6E00EnetConnectTsnRevB/13-TSN-P2/LED1: LED35.2 R221.1 U26.33
/HPM6E00EnetConnectTsnRevB/13-TSN-P2/LED2: LED37.2 U26.34
/HPM6E00EnetConnectTsnRevB/13-TSN-P2/MDI0N: U26.2 U28.3
/HPM6E00EnetConnectTsnRevB/13-TSN-P2/MDI0P: U26.1 U28.2
/HPM6E00EnetConnectTsnRevB/13-TSN-P2/MDI1N: U26.5 U28.6
/HPM6E00EnetConnectTsnRevB/13-TSN-P2/MDI1P: U26.4 U28.5
/HPM6E00EnetConnectTsnRevB/13-TSN-P2/MDI2N: U26.7 U28.9
/HPM6E00EnetConnectTsnRevB/13-TSN-P2/MDI2P: U26.6 U28.8
/HPM6E00EnetConnectTsnRevB/13-TSN-P2/MDI3N: U26.10 U28.12
/HPM6E00EnetConnectTsnRevB/13-TSN-P2/MDI3P: U26.9 U28.11
/HPM6E00EnetConnectTsnRevB/13-TSN-P2/REGOUT: L14.1 U26.30
/HPM6E00EnetConnectTsnRevB/PA0: R89.1 U2.K4 U9.9
/HPM6E00EnetConnectTsnRevB/PA1: R92.1 U2.K5 U9.8
/HPM6E00EnetConnectTsnRevB/PA2: R98.2 U2.J4
/HPM6E00EnetConnectTsnRevB/PA3: R99.2 U2.J5
/HPM6E00EnetConnectTsnRevB/PA4: J1.13 U2.H3
/HPM6E00EnetConnectTsnRevB/PA5: J1.5 R55.2 U2.H4
/HPM6E00EnetConnectTsnRevB/PA6: J1.9 R53.2 U2.H5
/HPM6E00EnetConnectTsnRevB/PA7: J1.7 R54.2 U2.G5
/HPM6E00EnetConnectTsnRevB/PA8: J1.3 U2.K1
/HPM6E00EnetConnectTsnRevB/PA9: U2.K2
/HPM6E00EnetConnectTsnRevB/PA10: U2.K3
/HPM6E00EnetConnectTsnRevB/PA11: U2.J1
/HPM6E00EnetConnectTsnRevB/PA12: U2.J2
/HPM6E00EnetConnectTsnRevB/PA13: U2.J3
/HPM6E00EnetConnectTsnRevB/PA14: U2.H1
/HPM6E00EnetConnectTsnRevB/PA15: U2.H2
/HPM6E00EnetConnectTsnRevB/PA16: DS1.10 R3.2 U2.P1
/HPM6E00EnetConnectTsnRevB/PA17: DS1.11 R4.2 U2.P2
/HPM6E00EnetConnectTsnRevB/PA18: DS1.14 U2.N1
/HPM6E00EnetConnectTsnRevB/PA19: DS1.15 U2.N2
/HPM6E00EnetConnectTsnRevB/PA20: DS1.18 R1.1 R6.2 U2.M1
/HPM6E00EnetConnectTsnRevB/PA21: DS1.13 U2.M2
/HPM6E00EnetConnectTsnRevB/PA22: U2.L1
/HPM6E00EnetConnectTsnRevB/PA23: DS1.19 R2.1 R5.1 R7.2 U2.L2
/HPM6E00EnetConnectTsnRevB/PA24: R1.2 U2.P3
/HPM6E00EnetConnectTsnRevB/PA25: R2.2 U2.N3
/HPM6E00EnetConnectTsnRevB/PA26: U2.N4
/HPM6E00EnetConnectTsnRevB/PA27: U2.M3
/HPM6E00EnetConnectTsnRevB/PA28: U2.M4
/HPM6E00EnetConnectTsnRevB/PA29: U2.M5
/HPM6E00EnetConnectTsnRevB/PA30: U2.L4
/HPM6E00EnetConnectTsnRevB/PA31: U2.L5
/HPM6E00EnetConnectTsnRevB/PB0: T55.1 U2.G1 U23.26
/HPM6E00EnetConnectTsnRevB/PB1: T56.1 U2.G2 U23.25
/HPM6E00EnetConnectTsnRevB/PB2: T62.1 U2.F1 U23.24
/HPM6E00EnetConnectTsnRevB/PB3: T57.1 U2.F2 U23.23
/HPM6E00EnetConnectTsnRevB/PB4: R194.2 T63.1 U2.E1 U23.22
/HPM6E00EnetConnectTsnRevB/PB5: T61.1 U2.E2 U23.27
/HPM6E00EnetConnectTsnRevB/PB6: T58.1 U2.D1 U23.20
/HPM6E00EnetConnectTsnRevB/PB7: T53.1 U2.D2 U23.18
/HPM6E00EnetConnectTsnRevB/PB8: T59.1 U2.C1 U23.17
/HPM6E00EnetConnectTsnRevB/PB9: T54.1 U2.C2 U23.16
/HPM6E00EnetConnectTsnRevB/PB10: T60.1 U2.B1 U23.15
/HPM6E00EnetConnectTsnRevB/PB11: T52.1 U2.C3 U23.19
/HPM6E00EnetConnectTsnRevB/PB12: T69.1 U2.G4 U26.26
/HPM6E00EnetConnectTsnRevB/PB13: T70.1 U2.F3 U26.25
/HPM6E00EnetConnectTsnRevB/PB14: T76.1 U2.F4 U26.24
/HPM6E00EnetConnectTsnRevB/PB15: T71.1 U2.E3 U26.23
/HPM6E00EnetConnectTsnRevB/PB16: R215.2 T77.1 U2.E4 U26.22
/HPM6E00EnetConnectTsnRevB/PB17: T75.1 U2.D3 U26.27
/HPM6E00EnetConnectTsnRevB/PB18: T72.1 U2.F5 U26.20
/HPM6E00EnetConnectTsnRevB/PB19: T67.1 U2.E5 U26.18
/HPM6E00EnetConnectTsnRevB/PB20: T73.1 U2.E6 U26.17
/HPM6E00EnetConnectTsnRevB/PB21: T68.1 U2.D5 U26.16
/HPM6E00EnetConnectTsnRevB/PB22: T74.1 U2.C4 U26.15
/HPM6E00EnetConnectTsnRevB/PB23: T66.1 U2.C5 U26.19
/HPM6E00EnetConnectTsnRevB/PB24: R97.1 U2.A2
/HPM6E00EnetConnectTsnRevB/PB25: R96.1 U2.B2
/HPM6E00EnetConnectTsnRevB/PC0: C188.1 R217.2 U2.A6 U26.12
/HPM6E00EnetConnectTsnRevB/PC1: R224.1 U2.B6 U26.31
/HPM6E00EnetConnectTsnRevB/PC2: U2.C6
/HPM6E00EnetConnectTsnRevB/PC3: R203.1 U2.A7 U23.31
/HPM6E00EnetConnectTsnRevB/PC4: C165.1 R196.2 U2.B7 U23.12
/HPM6E00EnetConnectTsnRevB/PC5: J4.2 U2.A8
/HPM6E00EnetConnectTsnRevB/PC6: J4.1 U2.B8
/HPM6E00EnetConnectTsnRevB/PC7: J4.4 U2.A9
/HPM6E00EnetConnectTsnRevB/PC8: J4.3 U2.B9
/HPM6E00EnetConnectTsnRevB/PC9: U2.D6
/HPM6E00EnetConnectTsnRevB/PC10: U2.D7
/HPM6E00EnetConnectTsnRevB/PC11: U2.E7
/HPM6E00EnetConnectTsnRevB/PC12: U2.C8
/HPM6E00EnetConnectTsnRevB/PC13: U2.D8
/HPM6E00EnetConnectTsnRevB/PC14: U2.E8
/HPM6E00EnetConnectTsnRevB/PC15: U2.C9
/HPM6E00EnetConnectTsnRevB/PC16: U2.D9
/HPM6E00EnetConnectTsnRevB/PC17: U2.E9
/HPM6E00EnetConnectTsnRevB/PC18: J4.6 U2.A10
/HPM6E00EnetConnectTsnRevB/PC19: J4.5 U2.B10
/HPM6E00EnetConnectTsnRevB/PC20: J4.8 U2.A11
/HPM6E00EnetConnectTsnRevB/PC21: J4.7 U2.B11
/HPM6E00EnetConnectTsnRevB/PC22: J4.10 U2.A12
/HPM6E00EnetConnectTsnRevB/PC23: J4.9 U2.B12
/HPM6E00EnetConnectTsnRevB/PC24: C80.1 J4.12 R101.2 SW8.4 U2.A13
/HPM6E00EnetConnectTsnRevB/PC25: J4.11 U2.B13
/HPM6E00EnetConnectTsnRevB/PC26: C79.1 J4.14 R100.2 SW7.4 U2.A14
/HPM6E00EnetConnectTsnRevB/PC27: J4.13 U2.B14
/HPM6E00EnetConnectTsnRevB/PC28: C78.1 J4.16 R95.2 SW5.4 U2.A15
/HPM6E00EnetConnectTsnRevB/PC29: J4.15 U2.B15
/HPM6E00EnetConnectTsnRevB/PC30: C77.1 J4.18 R94.2 SW4.4 U2.A16
/HPM6E00EnetConnectTsnRevB/PC31: J4.17 U2.B16
/HPM6E00EnetConnectTsnRevB/PD0: U2.C10
/HPM6E00EnetConnectTsnRevB/PD1: U2.D10
/HPM6E00EnetConnectTsnRevB/PD2: U2.E10
/HPM6E00EnetConnectTsnRevB/PD3: U2.D11
/HPM6E00EnetConnectTsnRevB/PD4: U2.E11
/HPM6E00EnetConnectTsnRevB/PD5: U2.C12
/HPM6E00EnetConnectTsnRevB/PD6: U2.D12
/HPM6E00EnetConnectTsnRevB/PD7: U2.E12
/HPM6E00EnetConnectTsnRevB/PD8: U2.C13
/HPM6E00EnetConnectTsnRevB/PD9: U2.D13
/HPM6E00EnetConnectTsnRevB/PD10: U2.E13
/HPM6E00EnetConnectTsnRevB/PD11: U2.C14
/HPM6E00EnetConnectTsnRevB/PD12: U2.D15
/HPM6E00EnetConnectTsnRevB/PD13: U2.C15
/HPM6E00EnetConnectTsnRevB/PD14: J4.19 U2.B17
/HPM6E00EnetConnectTsnRevB/PD15: U2.C16
/HPM6E00EnetConnectTsnRevB/PD16: U2.C17
/HPM6E00EnetConnectTsnRevB/PD17: U2.D16
/HPM6E00EnetConnectTsnRevB/PD18: U2.D17
/HPM6E00EnetConnectTsnRevB/PD19: U2.E16
/HPM6E00EnetConnectTsnRevB/PD20: U2.E17
/HPM6E00EnetConnectTsnRevB/PD21: U2.F16
/HPM6E00EnetConnectTsnRevB/PD22: U2.F17
/HPM6E00EnetConnectTsnRevB/PD23: U2.E15
/HPM6E00EnetConnectTsnRevB/PD24: U2.E14
/HPM6E00EnetConnectTsnRevB/PD25: U2.F15
/HPM6E00EnetConnectTsnRevB/PD26: U2.F14
/HPM6E00EnetConnectTsnRevB/PD27: U2.F13
/HPM6E00EnetConnectTsnRevB/PD28: U2.G14
/HPM6E00EnetConnectTsnRevB/PD29: U2.G13
/HPM6E00EnetConnectTsnRevB/PD30: U2.H15
/HPM6E00EnetConnectTsnRevB/PD31: U2.H14
/HPM6E00EnetConnectTsnRevB/PE0: U2.G17 U23.13
/HPM6E00EnetConnectTsnRevB/PE1: R195.2 U2.G16 U23.14
/HPM6E00EnetConnectTsnRevB/PE2: U2.H17
/HPM6E00EnetConnectTsnRevB/PE3: U2.H16 U26.13
/HPM6E00EnetConnectTsnRevB/PE4: R216.2 U2.J17 U26.14
/HPM6E00EnetConnectTsnRevB/PE5: U2.J16
/HPM6E00EnetConnectTsnRevB/PE6: U2.K17
/HPM6E00EnetConnectTsnRevB/PE7: U2.K16
/HPM6E00EnetConnectTsnRevB/PE8: U2.J15
/HPM6E00EnetConnectTsnRevB/PE9: U2.J14
/HPM6E00EnetConnectTsnRevB/PE10: U2.H13
/HPM6E00EnetConnectTsnRevB/PE11: U2.K15
/HPM6E00EnetConnectTsnRevB/PE12: U2.K14
/HPM6E00EnetConnectTsnRevB/PE13: U2.J13
/HPM6E00EnetConnectTsnRevB/PE14: U2.L14
/HPM6E00EnetConnectTsnRevB/PE15: U2.L13
/HPM6E00EnetConnectTsnRevB/PE16: U2.K13
/HPM6E00EnetConnectTsnRevB/PE17: U2.M15
/HPM6E00EnetConnectTsnRevB/PE18: U2.M14
/HPM6E00EnetConnectTsnRevB/PE19: U2.M13
/HPM6E00EnetConnectTsnRevB/PE20: C122.1 R103.2 U2.R17
/HPM6E00EnetConnectTsnRevB/PE21: C118.1 R14.2 U2.R16
/HPM6E00EnetConnectTsnRevB/PE22: C119.1 R15.2 U2.R15
/HPM6E00EnetConnectTsnRevB/PE23: C120.1 R16.2 U2.T17
/HPM6E00EnetConnectTsnRevB/PE24: C121.1 R17.2 U2.T16
/HPM6E00EnetConnectTsnRevB/PE25: C117.1 R13.2 U2.U16
/HPM6E00EnetConnectTsnRevB/PE26: C128.1 R120.2 U2.N17
/HPM6E00EnetConnectTsnRevB/PE27: C124.1 R105.2 U2.N16
/HPM6E00EnetConnectTsnRevB/PE28: C125.1 R106.2 U2.N15
/HPM6E00EnetConnectTsnRevB/PE29: C126.1 R118.2 U2.P17
/HPM6E00EnetConnectTsnRevB/PE30: C127.1 R119.2 U2.P16
/HPM6E00EnetConnectTsnRevB/PE31: C123.1 R104.2 U2.P15
/HPM6E00EnetConnectTsnRevB/PF0: U2.T13
/HPM6E00EnetConnectTsnRevB/PF1: U2.N12
/HPM6E00EnetConnectTsnRevB/PF2: R13.1 U2.U12
/HPM6E00EnetConnectTsnRevB/PF3: R14.1 U2.N13
/HPM6E00EnetConnectTsnRevB/PF4: R15.1 U2.N14
/HPM6E00EnetConnectTsnRevB/PF5: R16.1 U2.R14
/HPM6E00EnetConnectTsnRevB/PF6: R17.1 U2.U11
/HPM6E00EnetConnectTsnRevB/PF7: R103.1 U2.R13
/HPM6E00EnetConnectTsnRevB/PF8: R104.1 U2.R12
/HPM6E00EnetConnectTsnRevB/PF9: R105.1 U2.P13
/HPM6E00EnetConnectTsnRevB/PF10: R106.1 U2.U13
/HPM6E00EnetConnectTsnRevB/PF11: R118.1 U2.P12
/HPM6E00EnetConnectTsnRevB/PF12: R119.1 U2.T14
/HPM6E00EnetConnectTsnRevB/PF13: R120.1 U2.U14
/HPM6E00EnetConnectTsnRevB/PF14: U2.U15
/HPM6E00EnetConnectTsnRevB/PF15: U2.T15
/HPM6E00EnetConnectTsnRevB/PF16: U2.U9
/HPM6E00EnetConnectTsnRevB/PF17: U2.U10
/HPM6E00EnetConnectTsnRevB/PF18: U2.T10
/HPM6E00EnetConnectTsnRevB/PF19: R86.2 U2.T8
/HPM6E00EnetConnectTsnRevB/PF20: R90.2 U2.T11
/HPM6E00EnetConnectTsnRevB/PF21: U2.N11
/HPM6E00EnetConnectTsnRevB/PF22: R81.1 U2.T9
/HPM6E00EnetConnectTsnRevB/PF23: U2.R8
/HPM6E00EnetConnectTsnRevB/PF24: U2.P9
/HPM6E00EnetConnectTsnRevB/PF25: U2.P10
/HPM6E00EnetConnectTsnRevB/PF26: U2.T12
/HPM6E00EnetConnectTsnRevB/PF27: U2.P11
/HPM6E00EnetConnectTsnRevB/PF28: U2.R10
/HPM6E00EnetConnectTsnRevB/PF29: U2.N10
/HPM6E00EnetConnectTsnRevB/PF30: U2.N9
/HPM6E00EnetConnectTsnRevB/PF31: U2.R9
/HPM6E00EnetConnectTsnRevB/PY0: U2.U6
/HPM6E00EnetConnectTsnRevB/PY1: U2.T6
/HPM6E00EnetConnectTsnRevB/PY2: U2.U5
/HPM6E00EnetConnectTsnRevB/PY3: U2.T5
/HPM6E00EnetConnectTsnRevB/PY4: U2.R6
/HPM6E00EnetConnectTsnRevB/PY5: U2.R5
/HPM6E00EnetConnectTsnRevB/PY6: U2.P5
/HPM6E00EnetConnectTsnRevB/PY7: U2.N5
/HPM6E00EnetConnectTsnRevB/PZ0: U2.P8
/HPM6E00EnetConnectTsnRevB/PZ1: U2.N8
/HPM6E00EnetConnectTsnRevB/PZ2: U2.P7
/HPM6E00EnetConnectTsnRevB/PZ3: U2.N7
/HPM6E00EnetConnectTsnRevB/PZ4: U2.P6
/HPM6E00EnetConnectTsnRevB/PZ5: U2.N6
/HPM6E00EnetConnectTsnRevB/USB0_N: L3.3 U2.M17
/HPM6E00EnetConnectTsnRevB/USB0_P: L3.2 U2.M16
DCDC_GND: C1.2 C2.2 C4.2 C5.2 C6.2 R44.2 U2.R2 U2.T2 U2.U2
DCDC_IN: C4.1 C6.1 FB3.1 U2.R1 U2.T1
DCDC_LP: L1.2 U2.R3 U2.T3 U2.U3
DCDC_SNS: C1.1 C2.1 C5.1 FB1.1 L1.1 U2.M6
VANA: C3.1 C7.1 FB2.1 U2.M11
